# Altium PCB Core.PcbDoc (part 1 of 3) (continued)
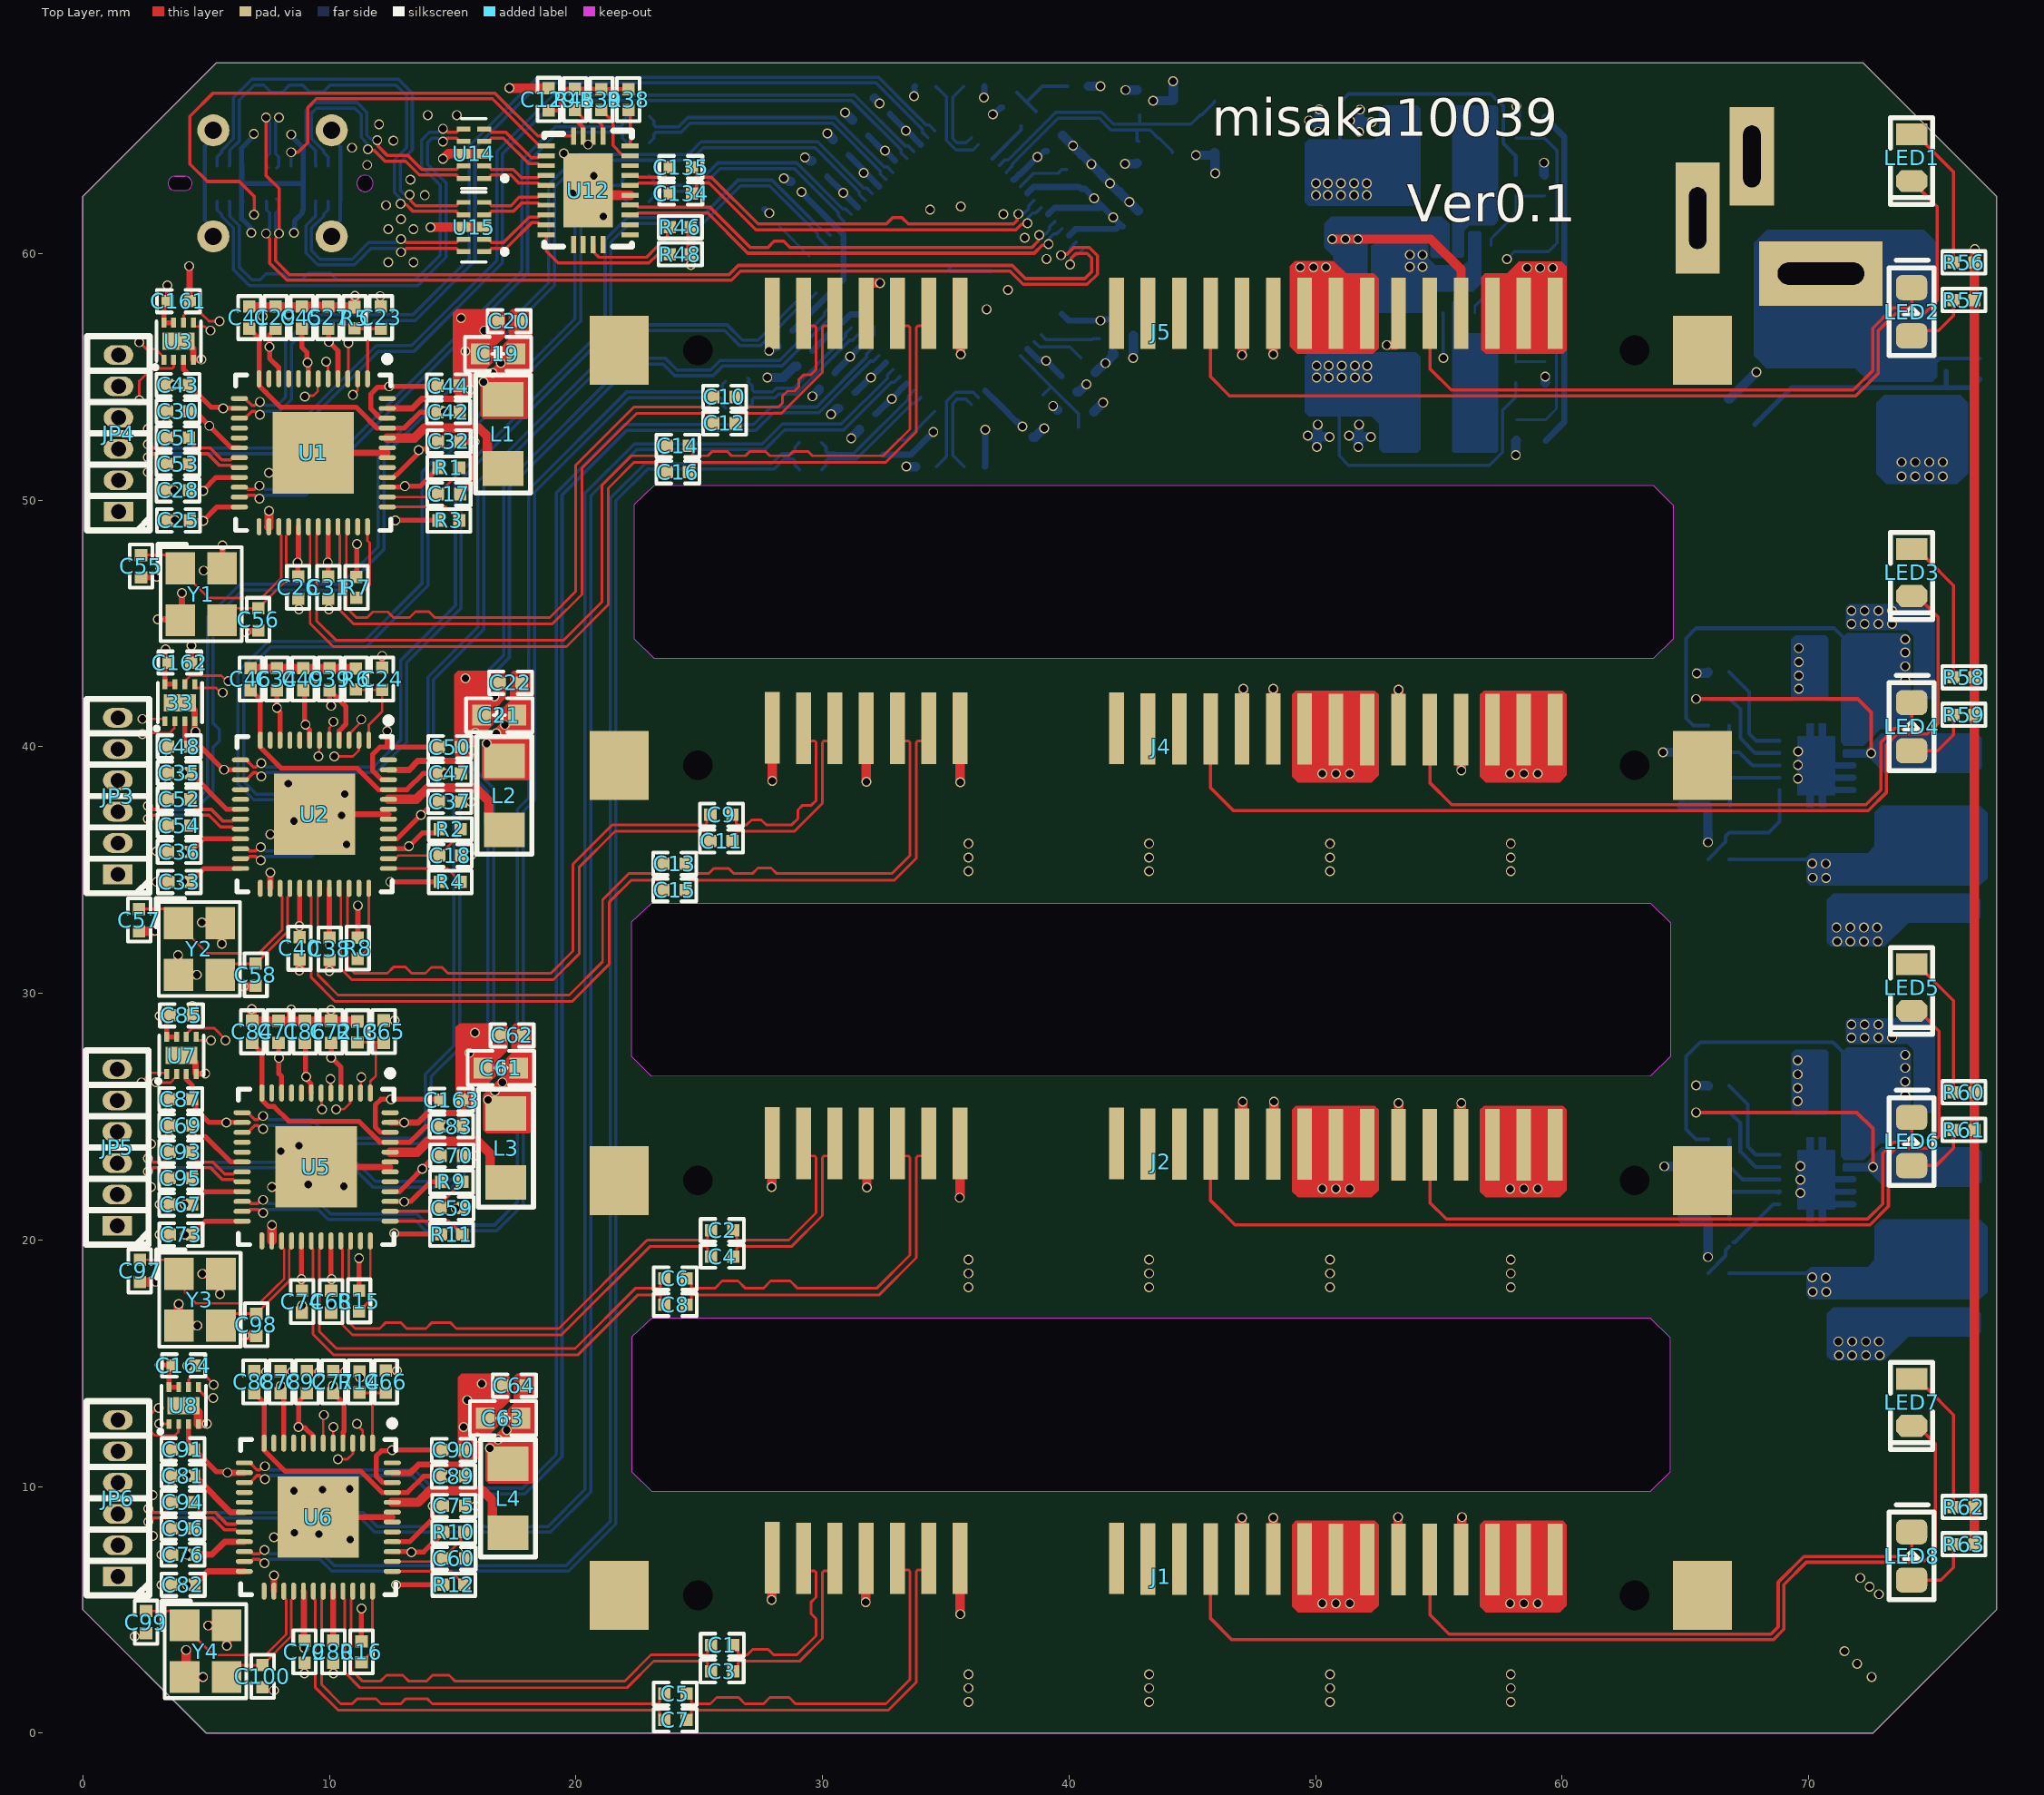
[diagram p0: Top Layer view]
## Components (designator, comment, footprint, x,y, rotation, side; value= is the part's Value field where it differs from the comment) (continued)
C155 "100nF 6.3V" C0402_L 41.732,62.179 r225 bottom
C156 "100nF 6.3V" C0402_L 40.005,54.712 r135 bottom
C157 "100nF 6.3V" C0402_L 31.813,53.174 r45 bottom
C158 "100nF 6.3V" C0402_L 32.422,65.977 r315 bottom
C159 "100nF 6.3V" C0402_L 42.494,61.417 r225 bottom
C160 "100nF 6.3V" C0402_L 40.97,62.941 r225 bottom
C161 "100nF 6.3V" C0402_L 3.886,58.064 r180 top
C162 "100nF 6.3V" C0402_L 3.937,43.409 r180 top
C163 "100nF 6.3V" C0402_L 14.949,25.679 r180 top
C164 "100nF 6.3V" C0402_L 4.089,14.91 r180 top
CON1 "3.5*1.3" DC-012 70.491,59.182 r90 bottom
E1 "100uF/25V" "CS 6*4 - B" 36.424,38.557 r90 bottom
E2 "100uF/25V" "CS 6*4 - B" 43.756,38.557 r90 bottom
E3 "100uF/25V" "CS 6*4 - B" 51.088,38.557 r90 bottom
E4 "100uF/25V" "CS 6*4 - B" 58.42,38.557 r90 bottom
E5 "100uF/25V" "CS 6*4 - B" 43.756,4.877 r90 bottom
E6 "100uF/25V" "CS 6*4 - B" 36.424,4.877 r90 bottom
E7 "100uF/25V" "CS 6*4 - B" 51.088,4.877 r90 bottom
E8 "100uF/25V" "CS 6*4 - B" 58.42,4.877 r90 bottom
E9 "100uF/25V" "CS 6*4 - B" 36.424,21.692 r90 bottom
E10 "100uF/25V" "CS 6*4 - B" 43.756,21.692 r90 bottom
E11 "100uF/25V" "CS 6*4 - B" 58.42,21.692 r90 bottom
E12 "100uF/25V" "CS 6*4 - B" 51.088,21.692 r90 bottom
J1 "SATA15P" "SATA 15P 贴片"#1 24.94,5.59 r0 top locked
J2 "SATA15P" "SATA 15P 贴片"#1 24.94,22.413 r0 top locked
J3 "Typec 24p" "TypeC 24p 直立" 7.696,62.84 r180 bottom locked
J4 "SATA15P" "SATA 15P 贴片"#1 24.94,39.243 r0 top locked
J5 "SATA15P" "SATA 15P 贴片"#2 24.94,56.073 r0 top locked
JP1 "HDR-1X2" ZH1.5-WS-2P 64.414,50.724 r135 bottom
JP2 "HDR-1X2" XH2.54-WS-2P 69.291,8.331 r45 bottom
JP3 "HDR-1X6" HDR1.27-LI-6P 1.422,37.998 r90 top
JP4 "HDR-1X6" HDR1.27-LI-6P 1.448,52.705 r90 top
JP5 "HDR-1X6" HDR1.27-LI-6P 1.397,23.749 r90 top
JP6 "HDR-1X6" HDR1.27-LI-6P 1.422,9.525 r90 top
L1 "4.7uH" L1206 17.043,52.68 r90 top
L2 "4.7uH" L1206 17.094,38.024 r90 top
L3 "4.7uH" L1206 17.159,23.724 r90 top
L4 "4.7uH" L1206 17.247,9.525 r90 top
L5 "6.8uH" NR4020 75.033,21.471 r270 bottom
L6 "6.8uH" NR4020 75.032,38.251 r270 bottom
L7 "1uH" NR4020 55.091,63.906 r0 bottom
L8 "2uH" NR4020 55.091,54 r0 bottom
LED1 "green" "LED 0805G" 74.168,63.881 r270 top locked
LED2 "green" LED0805_W 74.168,57.635 r90 top locked
LED3 "green" "LED 0805G" 74.168,47.058 r270 top locked
LED4 "green" LED0805_W 74.168,40.812 r90 top locked
LED5 "green" "LED 0805G" 74.168,30.235 r270 top locked
LED6 "green" LED0805_W 74.168,23.989 r90 top locked
LED7 "green" "LED 0805G" 74.168,13.412 r270 top locked
LED8 "green" LED0805_W 74.168,7.186 r90 top locked
Q1 "AO3401" DFN8-L3.0-W3.0-P0.65_EP 74.6,53.746 r270 bottom
R1 "330K 1%" R0402_L 14.849,51.308 r0 top
R2 "330K 1%" R0402_L 14.899,36.652 r0 top
R3 "4.7K 1%" R0402_L 14.849,49.174 r0 top
R4 "4.7K 1%" R0402_L 14.899,34.519 r0 top
R5 "100K 1%" R0402_L 11.024,57.394 r270 top
R6 "100K 1%" R0402_L 11.074,42.738 r270 top
R7 "12K 1%" R0402_L 11.1,46.457 r270 top
R8 "12K 1%" R0402_L 11.151,31.826 r270 top
R9 "330K 1%" R0402_L 14.964,22.352 r0 top
R10 "330K 1%" R0402_L 15.052,8.153 r0 top
R11 "4.7K 1%" R0402_L 14.964,20.218 r0 top
R12 "4.7K 1%" R0402_L 15.052,6.02 r0 top
R13 "100K 1%" R0402_L 11.139,28.438 r270 top
R14 "100K 1%" R0402_L 11.227,14.239 r270 top
R15 "12K 1%" R0402_L 11.204,17.526 r270 top
R16 "12K 1%" R0402_L 11.303,3.302 r270 top
R17 "10K 1%" R0402_L 66.353,24.077 r0 bottom
R18 "10K 1%" R0402_L 76.937,55.321 r270 bottom
R19 "18.7K 1%" R0402_L 66.346,21.907 r180 bottom
R20 "100K 1%" R0402_L 66.346,18.653 r180 bottom
R21 "10K 1%" R0402_L 66.346,22.992 r180 bottom
R22 "100K 1%" R0402_L 66.346,26.247 r180 bottom
R23 "19.1K 1%" R0402_L 66.346,19.738 r180 bottom
R24 "10K 1%" R0402_L 66.351,40.858 r0 bottom
R25 "18.7K 1%" R0402_L 66.345,38.688 r180 bottom
R26 "100K 1%" R0402_L 66.345,35.433 r180 bottom
R27 "10K 1%" R0402_L 66.345,39.773 r180 bottom
R28 "100K 1%" R0402_L 66.345,43.028 r180 bottom
R29 "19.1K 1%" R0402_L 66.345,36.518 r180 bottom
R30 "100K 1%" R0402_L 59.284,65.1 r270 bottom
R31 "100K 1%" R0402_L 59.334,52.839 r90 bottom
R32 "130K 1%" R0402_L 58.141,65.1 r90 bottom
R33 "130K 1%" R0402_L 58.141,52.839 r270 bottom
R34 "390K 1%" R0402_L 58.115,62.757 r270 bottom
R35 "390K 1%" R0402_L 58.115,55.176 r90 bottom
R36 "130K 1%" R0402_L 59.284,62.763 r90 bottom
R37 "88,7K 1%" R0402_L 59.309,55.182 r270 bottom
R38 "10K 1%" R0402_L 22.123,66.236 r270 top
R39 "10K 1%" R0402_L 21.031,66.236 r270 top
R40 "4.7K 1%" R0402_L 39.239,53.954 r315 bottom
R41 "4.7K 1%" R0402_L 40.767,55.474 r315 bottom
R42 "4.7K 1%" R0402_L 41.525,56.24 r315 bottom
R43 "4.7K 1%" R0402_L 36.163,51.359 r0 bottom
R44 "4.7K 1%" R0402_L 34.195,51.359 r180 bottom
R45 "10K 1%" R0402_L 19.964,66.243 r90 top
R46 "20K 1%" R0402_L 24.232,61.062 r180 top
R47 "4.7K 1%" R0402_L 32.766,52.146 r225 bottom
R48 "20K 1%" R0402_L 24.232,59.969 r180 top
R49 "12.4k 1%" R0402_L 40.208,63.703 r45 bottom
R50 "4.7K 1%" R0402_L 37.592,66.218 r225 bottom
R51 "1M 1%" R0402_L 38.354,65.456 r45 bottom
R52 "4.7K 1%" R0402_L 34.17,66.777 r180 bottom
R53 "10K 1%" R0402_L 40.361,66.777 r0 bottom
R54 "4.7K 1%" R0402_L 36.144,66.777 r0 bottom
R55 "4.7K 1%" R0402_L 27.944,61.489 r135 bottom
R56 "4.7K 1%" R0402_L 76.289,59.634 r180 top locked
R57 "4.7K 1%" R0402_L 76.289,58.111 r180 top locked
R58 "4.7K 1%" R0402_L 76.289,42.812 r180 top locked
R59 "4.7K 1%" R0402_L 76.289,41.291 r180 top locked
R60 "4.7K 1%" R0402_L 76.289,25.984 r180 top locked
R61 "4.7K 1%" R0402_L 76.289,24.463 r180 top locked
R62 "4.7K 1%" R0402_L 76.289,9.169 r180 top locked
R63 "4.7K 1%" R0402_L 76.289,7.661 r180 top locked
U1 "JMS578" QFN48-L6.0-W6.0-P0.4 9.347,51.918 r270 top
U2 "JMS578" QFN48-L6.0-W6.0-P0.4 9.398,37.262 r270 top
U3 "P25Q21H" USON-8_L1.5-W1.5-P0.40-BL-EP 3.886,56.439 r0 top
U5 "JMS578" QFN48-L6.0-W6.0-P0.4 9.463,22.962 r270 top
U6 "JMS578" QFN48-L6.0-W6.0-P0.4 9.55,8.763 r270 top
U7 "P25Q21H" USON-8_L1.5-W1.5-P0.40-BL-EP 4.002,27.483 r0 top
U8 "P25Q21H" USON-8_L1.5-W1.5-P0.40-BL-EP 4.089,13.284 r0 top
U9 "TPS54335A-QFN" VSON-10_L3.0-W3.0-P0.50-TL-EP 70.307,22.454 r180 bottom
U10 "TPS54335A-QFN" VSON-10_L3.0-W3.0-P0.50-TL-EP 70.307,39.243 r180 bottom
U11 "MP9148" SOT23-8 56.134,58.953 r90 bottom
U12 "VL160" MQFN-28_L4.5-W3.5-P0.40-BL-EP 20.498,62.56 r270 top
U13 "VL822 Q7" QFN-76_L9.0-W9.0-P0.40-EP6.3-TL 35.154,59.284 r45 bottom locked
U14 "TPD4E02B04" DIO_TPD4E02B04DQAR 15.861,64.043 r180 top
U15 "TPD4E02B04" DIO_TPD4E02B04DQAR 15.861,61.07 r180 top
Y1 "30Mhz" "OSC 3225-4P" 4.801,46.177 r270 top
Y2 "30Mhz" "OSC 3225-4P" 4.724,31.801 r270 top
Y3 "30Mhz" "OSC 3225-4P" 4.75,17.577 r270 top
Y4 "30Mhz" "OSC 3225-4P" 4.978,3.327 r270 top
Y5 "25Mhz" "OSC 3225-4P" 45.045,65.138 r270 bottom

## Footprints (in the part's own frame and the unit in brackets; to place one, negate y for a bottom-side part, rotate by r counter-clockwise, add the part's x,y. Pads: shape width x height; smd on the part's side, far side on the other; paste and mask are expansions set on the pad)
C0402_L [mm] "贴片MLCC电容"
  rect 0.5x0.5 smd: 1(-0.45,0) 2(0.45,0)
  silkscreen extent -0.87,-0.46 0.88,0.46, body extent -0.5,-0.25 0.5,0.25, height 0.5
C0603_L [mm] "贴片MLCC电容"
  rect 0.75x0.85 smd: 1(-0.725,0) 2(0.725,0)
  silkscreen extent -1.35,-0.69 1.35,0.69, body extent -0.8,-0.4 0.8,0.4, height 0.8
"CS 6*4 - B" [mm] "直径6mm，高4mm"
  rect 2.7x1 smd: 1(3,0)
  oval 2.7x1 smd: 2(-3,0)
  silkscreen extent -3.3,-3.3 3.43,3.3, body extent -3.5,-3.15 3.5,3.15, height 4.05
DC-012 [mm] "5.5*2.1"
  rect 2.6x5 hole 0.9 slot 3.5 at 90 deg: 1(0,0)
  rect 4.5x1.8 hole 0.7 slot 2.5 at 0 deg: 2(2.25,-5)
  rect 4x1.8 hole 0.7 slot 2.5 at 0 deg: 3(4.75,-2.8)
  silkscreen extent -1.35,-6.48 8,5.33, body extent -1.11,-6.47 7.89,4.53, height 13.6
DFN8-L3.0-W3.0-P0.65_EP [mm] "DFN, 8-Leads, Body 3.05x3.05mm, Pitch 0.65mm               联系卖家 免费查找封装"
  rect 0.66x0.42 smd: 1(-1.47,-0.975) 2(-1.47,-0.325) 2(-1.47,0.325) 2(-1.47,0.975) 3(1.47,-0.975) 3(1.47,-0.325) 3(1.47,0.325) 3(1.47,0.975)
  Top Layer region: -0.5,-1.185 -0.5,1.185 1.33,1.185 1.33,-1.185
  Top Layer region: -0.319,-1.73 -0.319,1.73 0.251,1.73 0.251,-1.73
  silkscreen extent -2.47,-1.59 1.53,1.59, body extent -1.53,-1.53 1.53,1.53, height 0.8
DIO_TPD4E02B04DQAR [mm]
  rect 0.565x0.2 smd mask+0: 1(-0.417,1) 2(-0.417,0.5) 4(-0.417,-0.5) 5(-0.417,-1) 6(0.417,-1) 7(0.417,-0.5) 9(0.417,0.5) 10(0.417,1)
  rect 0.565x0.4 smd paste-1 mask+0: 3(-0.417,0) 8(0.417,0)
  silkscreen extent -1.35,-1.42 0.5,1.42, body extent -0.5,-1.25 0.5,1.25, height 0.55
HDR1.27-LI-6P [mm] "直插，脚距：1.27mm"
  rect 0.8x1.2 hole 0.6: 1(-3.175,0)
  oval 0.8x1.2 hole 0.6: 2(-1.905,0) 3(-0.635,0) 4(0.635,0) 5(1.905,0) 6(3.175,0)
  silkscreen extent -3.94,-1.27 3.94,1.27, body extent -3.81,-1.2 3.81,1.2, height 4.48
L1206 [mm] "1206贴片叠层电感"
  rect 1.4x1.65 smd: 1(-1.4,0) 2(1.4,0)
  silkscreen extent -2.39,-1.12 2.39,1.12, body extent -1.6,-0.8 1.6,0.8, height 1.1
LED0805_W [mil] "白色0805LED"
  rrect50% 40x50 smd: 1(-38.4,0) 2(38.4,0)
  silkscreen extent -70,-36 82,36, body extent -39,-25 39,25, height 32
"LED 0805G" [mil] "绿色0805LED"
  rect 35x50 smd: 1(-37.4,0)
  oct 35x50 smd: 2(37.4,0)
  silkscreen extent -64,-33 75,33, body extent -39,-25 39,25, height 32
MQFN-28_L4.5-W3.5-P0.40-BL-EP [mm]
  rect 0.2x0.7 smd paste-100: 1(-1.8,-1.7) 2(-1.4,-1.7) 3(-1,-1.7) 4(-0.6,-1.7) 5(-0.2,-1.7) 6(0.2,-1.7) 7(0.6,-1.7) 8(1,-1.7) 9(1.4,-1.7) 10(1.8,-1.7) 15(1.8,1.7) 16(1.4,1.7) 17(1,1.7) 18(0.6,1.7) 19(0.2,1.7) 20(-0.2,1.7) 21(-0.6,1.7) 22(-1,1.7) 23(-1.4,1.7) 24(-1.8,1.7)
  rect 0.7x0.2 smd paste-100: 11(2.2,-0.6) 12(2.2,-0.2) 13(2.2,0.2) 14(2.2,0.6) 25(-2.2,0.6) 26(-2.2,0.2) 27(-2.2,-0.2) 28(-2.2,-0.6)
  rect 3x2 smd paste-100: 29(0,0)
  silkscreen extent -2.41,-1.78 2.29,1.78, body extent -2.26,-1.76 2.26,1.76, height 0.86
NR4020 [mm] "4.0mm*4.0mm*2.0mm(长*宽*高）"
  rect 1.1x3.7 smd: 1(-1.5,0) 2(1.5,0)
  silkscreen extent -2.29,-2.03 2.29,2.03, body extent -2,-2 2,2, height 2.1
"OSC 3225-4P" [mm] "3.2*2.5*0.7mm(长宽高)"
  rect 1.3x1.2 smd: 1(-1.05,-0.85) 2(1.05,-0.85) 3(1.05,0.85) 4(-1.05,0.85)
  silkscreen extent -2.03,-1.75 1.91,1.65, body extent -1.6,-1.25 1.6,1.25, height 0.7
QFN48-L6.0-W6.0-P0.4 [mm] "QFN, 48-Leads, Body 6.00x6.00mm, Pitch 0.40mm, Thermal Pad 4.30x4.30mm封装库来自淘宝卖家 ID：黄晶宝石"
  oval 0.7x0.2 smd: 1(-3,2.2) 2(-3,1.8) 3(-3,1.4) 4(-3,1) 5(-3,0.6) 6(-3,0.2) 7(-3,-0.2) 8(-3,-0.6) 9(-3,-1) 10(-3,-1.4) 11(-3,-1.8) 12(-3,-2.2) 25(3,-2.2) 26(3,-1.8) 27(3,-1.4) 28(3,-1) 29(3,-0.6) 30(3,-0.2) 31(3,0.2) 32(3,0.6) 33(3,1) 34(3,1.4) 35(3,1.8) 36(3,2.2)
  oval 0.2x0.7 smd: 13(-2.2,-3) 14(-1.8,-3) 15(-1.4,-3) 16(-1,-3) 17(-0.6,-3) 18(-0.2,-3) 19(0.2,-3) 20(0.6,-3) 21(1,-3) 22(1.4,-3) 23(1.8,-3) 24(2.2,-3) 37(2.2,3) 38(1.8,3) 39(1.4,3) 40(1,3) 41(0.6,3) 42(0.2,3) 43(-0.2,3) 44(-0.6,3) 45(-1,3) 46(-1.4,3) 47(-1.8,3) 48(-2.2,3)
  rect 3.3x3.3 smd: 49(0,0)
  silkscreen extent -3.92,-3.15 3.15,3.15, body extent -3,-3 3,3, height 0.9
QFN-76_L9.0-W9.0-P0.40-EP6.3-TL [mm]
  oval 0.8x0.2 smd paste-100: 1(-4.45,3.599) 2(-4.45,3.2) 3(-4.45,2.799) 4(-4.45,2.4) 5(-4.45,1.999) 6(-4.45,1.6) 7(-4.45,1.199) 8(-4.45,0.8) 9(-4.45,0.399) 10(-4.45,0) 11(-4.45,-0.399) 12(-4.45,-0.8) 13(-4.45,-1.199) 14(-4.45,-1.6) 15(-4.45,-1.999) 16(-4.45,-2.4) 17(-4.45,-2.799) 18(-4.45,-3.2) 19(-4.45,-3.599) 39(4.45,-3.599) 40(4.45,-3.2) 41(4.45,-2.799) 42(4.45,-2.4) 43(4.45,-1.999) 44(4.45,-1.6) 45(4.45,-1.199) 46(4.45,-0.8) 47(4.45,-0.399) 48(4.45,0) 49(4.45,0.399) 50(4.45,0.8) 51(4.45,1.199) 52(4.45,1.6) 53(4.45,1.999) 54(4.45,2.4) 55(4.45,2.799) 56(4.45,3.2) 57(4.45,3.599)
  oval 0.2x0.8 smd paste-100: 20(-3.599,-4.45) 21(-3.2,-4.45) 22(-2.799,-4.45) 23(-2.4,-4.45) 24(-1.999,-4.45) 25(-1.6,-4.45) 26(-1.199,-4.45) 27(-0.8,-4.45) 28(-0.399,-4.45) 29(0,-4.45) 30(0.399,-4.45) 31(0.8,-4.45) 32(1.199,-4.45) 33(1.6,-4.45) 34(1.999,-4.45) 35(2.4,-4.45) 36(2.799,-4.45) 37(3.2,-4.45) 38(3.599,-4.45) 58(3.599,4.45) 59(3.2,4.45) 60(2.799,4.45) 61(2.4,4.45) 62(1.999,4.45) 63(1.6,4.45) 64(1.199,4.45) 65(0.8,4.45) 66(0.399,4.45) 67(0,4.45) 68(-0.399,4.45) 69(-0.8,4.45) 70(-1.199,4.45) 71(-1.6,4.45) 72(-1.999,4.45) 73(-2.4,4.45) 74(-2.799,4.45) 75(-3.2,4.45) 76(-3.599,4.45)
  rect 5.5x5.5 smd paste-100: 77(0,0)
  silkscreen extent -5.36,-4.7 4.7,4.7, body extent -4.5,-4.5 4.5,4.5, height 0.85
R0402_L [mm] "1/16W贴片电阻"
  rect 0.5x0.5 smd: 1(-0.425,0) 2(0.425,0)
  silkscreen extent -0.88,-0.46 0.87,0.46, body extent -0.5,-0.25 0.5,0.25, height 0.3
"SATA 15P 贴片"#1 [mm] "SATA"
  rect 0.6x2.9 smd: P1(16.99,1.5) P2(18.26,1.476) P3(19.53,1.476) P4(20.8,1.476) P5(22.07,1.476) P6(23.34,1.476) P7(24.61,1.476) P8(25.88,1.452) P9(27.15,1.452) P10(28.42,1.452) P11(29.69,1.452) P12(30.96,1.452) P13(32.23,1.452) P14(33.5,1.452) P15(34.77,1.452) S1(3.02,1.524) S2(4.29,1.5) S3(5.56,1.5) S4(6.83,1.5) S5(8.1,1.5) S6(9.37,1.5) S7(10.64,1.5)
  rect 2.4x2.8 smd: SH1(-3.19,0) SH2(40.75,0)
  round 1 hole 1.2 unplated: ""(0,0) ""(38,0)
  body extent -3.97,-2.88 41.47,2.67, height 10.2
"SATA 15P 贴片"#2 [mm] "SATA"
  rect 0.6x2.9 smd: P1(16.99,1.5) P2(18.26,1.5) P3(19.53,1.5) P4(20.8,1.5) P5(22.07,1.5) P6(23.34,1.5) P7(24.61,1.5) P8(25.88,1.5) P9(27.15,1.5) P10(28.42,1.5) P11(29.69,1.5) P12(30.96,1.5) P13(32.23,1.5) P14(33.5,1.5) P15(34.77,1.5) S1(3.02,1.5) S2(4.29,1.5) S3(5.56,1.5) S4(6.83,1.5) S5(8.1,1.5) S6(9.37,1.5) S7(10.64,1.5)
  rect 2.4x2.8 smd: SH1(-3.19,0) SH2(40.75,0)
  round 1 hole 1.2 unplated: ""(0,0) ""(38,0)
  body extent -3.97,-2.88 41.47,2.67, height 10.2
SOT23-8 [mil] "SOT23, 8-Leads, Body 2.9x1.75mm, Pitch 0.65mm  联系卖家 免费查找封装"
  rect 38.5x17 smd paste+0: 1(-53.75,38.39) 2(-53.75,12.8) 3(-53.75,-12.8) 4(-53.75,-38.39) 5(53.75,-38.39) 6(53.75,-12.8) 7(53.75,12.8) 8(53.75,38.39)
  silkscreen extent -70,-61 20,70, body extent -55,-59 55,59, height 47
"TypeC 24p 直立" [mm]
  rect 0.3x1 smd paste-100: A1(-2.75,0.72) A2(-2.25,0.72) A3(-1.75,0.72) A4(-1.25,0.72) A5(-0.75,0.72) A6(-0.25,0.72) A7(0.25,0.72) A8(0.75,0.72) A9(1.25,0.72) A10(1.75,0.72) A11(2.25,0.72) A12(2.75,0.72) B1(2.75,-0.72) B2(2.25,-0.72) B3(1.75,-0.72) B4(1.25,-0.72) B5(0.75,-0.72) B6(0.25,-0.72) B7(-0.25,-0.72) B8(-0.75,-0.72) B9(-1.25,-0.72) B10(-1.75,-0.72) B11(-2.25,-0.72) B12(-2.75,-0.72)
  round 1.3 hole 0.7: SH1(-2.4,-2.15) SH2(2.4,-2.15) SH3(2.4,2.15) SH4(-2.4,2.15)
  Keep-Out Layer board cut-out: -3.42,0 -3.42,-0.066 -3.47,-0.187 -3.563,-0.28 -3.684,-0.33 -3.816,-0.33 -3.937,-0.28 -4.03,-0.187 -4.08,-0.066 -4.08,0 -4.08,0.066 -4.03,0.187 -3.937,0.28 -3.816,0.33 -3.684,0.33 -3.563,0.28 -3.47,0.187 -3.42,0.066 -3.42,0 -3.42,0
  Keep-Out Layer board cut-out: 4.244,0 4.244,-0.056 4.203,-0.16 4.126,-0.241 4.024,-0.287 3.968,-0.29 3.968,-0.29 3.556,-0.29 3.499,-0.289 3.393,-0.245 3.312,-0.163 3.268,-0.057 3.268,0 3.268,0.058 3.312,0.164 3.393,0.245 3.499,0.29 3.556,0.29 3.556,0.29 3.97,0.29 4.026,0.287 4.127,0.24 4.203,0.159 4.244,0.056 4.244,0 4.244,0
  Keep-Out Layer circle w0.005: c-3.75,0 r0.33
  Keep-Out Layer region: -3.42,0 -3.42,-0.066 -3.47,-0.187 -3.563,-0.28 -3.684,-0.33 -3.816,-0.33 -3.937,-0.28 -4.03,-0.187 -4.08,-0.066 -4.08,0 -4.08,0.066 -4.03,0.187 -3.937,0.28 -3.816,0.33 -3.684,0.33 -3.563,0.28 -3.47,0.187 -3.42,0.066 -3.42,0 -3.42,0
  Keep-Out Layer region: 4.244,0 4.244,-0.056 4.203,-0.16 4.126,-0.241 4.024,-0.287 3.968,-0.29 3.968,-0.29 3.556,-0.29 3.499,-0.289 3.393,-0.245 3.312,-0.163 3.268,-0.057 3.268,0 3.268,0.058 3.312,0.164 3.393,0.245 3.499,0.29 3.556,0.29 3.556,0.29 3.97,0.29 4.026,0.287 4.127,0.24 4.203,0.159 4.244,0.056 4.244,0 4.244,0
  Keep-Out Layer lines w0.005: 4.244,0 ccw(c3.954,0) 3.97,0.29 3.556,0.29 ccw(c3.558,0) 3.268,0 ccw(c3.558,0) 3.556,-0.29 3.968,-0.29 ccw(c3.954,0) 4.244,0
  silkscreen extent -5,-2 5,2, body extent -4.47,-2.3 4.47,2.3, height 9.2
USON-8_L1.5-W1.5-P0.40-BL-EP [mm]
  rect 0.2x0.4 smd: 1(-0.6,-0.75) 2(-0.2,-0.75) 3(0.2,-0.75) 4(0.6,-0.75) 5(0.6,0.75) 6(0.2,0.75) 7(-0.2,0.75) 8(-0.6,0.75)
  rect 1.3x0.7 smd: 9(0,0)
  silkscreen extent -1.03,-1.14 0.9,0.8, body extent -0.75,-0.76 0.75,0.76, height 0.5
VSON-10_L3.0-W3.0-P0.50-TL-EP [mm]
  rect 0.8x0.3 smd: 1(-1.5,1) 2(-1.5,0.5) 3(-1.5,0) 4(-1.5,-0.5) 5(-1.5,-1) 6(1.5,-1) 7(1.5,-0.5) 8(1.5,0) 9(1.5,0.5) 10(1.5,1)
  round 0.304 smd: 11(0.002,-0.009)
  Top Layer region: -0.758,1.191 -0.398,1.191 -0.398,1.706 -0.098,1.706 -0.098,1.191 0.102,1.191 0.102,1.706 0.402,1.706 0.402,1.191 0.761,1.191 0.761,-1.209 0.402,-1.209 0.402,-1.714 0.102,-1.714 0.102,-1.209 -0.098,-1.209 -0.098,-1.714 -0.398,-1.714 -0.398,-1.209 -0.759,-1.209 -0.759,0.886 -0.758,0.886 -0.758,1.191
  silkscreen extent -1.98,-1.5 1.5,1.6, body extent -1.51,-1.52 1.51,1.5, height 0.61
XH2.54-WS-2P [mm] "长：10mm，宽：8mm，高：6.1mm"
  rect 2x3.5 smd: 0(-4.327,-2.15) 0(4.327,-2.15)
  rect 1.2x3.5 smd: 1(-1.25,4.981) 2(1.25,4.981)
  silkscreen extent -5,-4.06 5,4.06, body extent -5,-4 5,6.42, height 6.05
ZH1.5-WS-2P [mm] "长：6.1mm，宽：2.5mm，高：3.7mm"
  rect 1.5x1.95 smd: 0(-2.818,0) 0(2.818,0)
  rect 0.8x2.5 smd: 1(-0.75,4.05) 2(0.75,4.05)
  silkscreen extent -3.05,-2 3.03,4.06, body extent -3.05,-2 3.05,4.6, height 3.75

## Part data
33 U3 U7 U8: library part P25D40H
C1 C2 C3 C4 C5 C6 C7 C8 C9 C10 C11 C12 C13 C14 C15 C16 C17 C18 C19 C20 C21 C22 C23 C24 C25 C26 C27 C28 C29 C30 C31 C32 C33 C34 C35 C36 C37 C38 C39 C40 C41 C42 C43 C44 C45 C46 C47 C48 C49 C50 C51 C52 C53 C54 C55 C56 C57 C58 C59 C60 C61 C62 C63 C64 C65 C66 C67 C68 C69 C70 C71 C72 C73 C74 C75 C76 C77 C78 C79 C80 C81 C82 C83 C84 C85 C86 C87 C88 C89 C90 C91 C92 C93 C94 C95 C96 C97 C98 C99 C100 C101 C102 C103 C104 C105 C106 C107 C108 C109 C110 C111 C112 C113 C114 C115 C116 C117 C118 C119 C120 C121 C122 C123 C124 C125 C126 C127 C128 C129 C131 C132 C133 C134 C135 C136 C137 C138 C139 C140 C141 C142 C143 C144 C145 C146 C147 C148 C149 C150 C151 C152 C153 C154 C155 C156 C157 C158 C159 C160 C161 C162 C163 C164: library part C, "无极性贴片电容", BOM名称=无极性贴片电容, 学习资源=www.ooocke.com, 材质=X7R, 版权归属=源创客
CON1: library part P-DC, "低压电源接口", BOM名称=DC电源接口, 学习资源=www.ooocke.com, 版权归属=源创客
E1 E2 E3 E4 E5 E6 E7 E8 E9 E10 E11 E12: library part C-CD, "贴片钽电容", BOM名称=贴片钽电容, 学习资源=www.ooocke.com, 版权归属=源创客
J3: "USB-C (USB TYPE-C) USB 3.2 Gen 2 (USB 3.1 Gen 2, Superspeed + (USB 3.1)) Receptacle Connector 24 Position Surface Mount, Right Angle; Through Hole", Package=None, Check_prices=https://www.snapeda.com/parts/1054500101/Molex/view-part/?ref=eda, MF=Molex, MP=1054500101, SnapEDA_Link=https://www.snapeda.com/parts/1054500101/Molex/view-part/?ref=snap
JP1 JP2: library part "Header 2", "2P接插件", BOM名称=2P接插件, 学习资源=www.ooocke.com, 版权归属=源创客
JP3 JP4 JP5 JP6: library part "Header 6", "6P接插件", BOM名称=6P接插件, 学习资源=www.ooocke.com, 版权归属=源创客
L1 L2 L3 L4 L5 L6 L7 L8: library part L, "小功率贴片电感", BOM名称=小功率贴片电感, 学习资源=www.ooocke.com, 版权归属=源创客
LED1 LED2 LED3 LED4 LED5 LED6 LED7 LED8: library part LED-3MM, "插件LED", BOM名称=插件LED, 学习资源=www.ooocke.com, 版权归属=源创客
Q1: "P沟道 30V/4.2A", BOM名称=场效应管, 学习资源=www.ooocke.com, 描述="P沟道 30V/4.2A", 版权归属=源创客
R1 R2 R3 R4 R5 R6 R7 R8 R9 R10 R11 R12 R13 R14 R15 R16 R17 R18 R19 R20 R21 R22 R23 R24 R25 R26 R27 R28 R29 R30 R31 R32 R33 R34 R35 R36 R37 R38 R39 R40 R41 R42 R43 R44 R45 R46 R47 R48 R49 R50 R51 R52 R53 R54 R55 R56 R57 R58 R59 R60 R61 R62 R63: library part R, "贴片电阻", BOM名称=贴片电阻, 学习资源=www.ooocke.com, 版权归属=源创客
U9 U10 U11: "BUCK"
U14 U15: "ESD"
Y1 Y2 Y3 Y4 Y5: library part Crystal

## Via types
v1: diameter 0.4, hole 0.3, Top Layer to Bottom Layer, tented both sides, 581 vias

## Nets (pads, with @x,y where several pads share a name; then routed paths per layer and width w, separated by ;. In a path a pad name is that pad's centre, name@x,y a point inside that pad or via, vN(x,y) a via of type N, cw(c..) or ccw(c..) an arc to the next point about the centre after c; other vN are vias at no path point)
cap_IN_SSRX1_N: U12.7 U15.4 | length 2.8
  Top Layer w0.131: U15.4@16.278,61.57 16.461,61.57 16.495,61.604 16.495,61.627 16.572,61.703 17.456,61.703 17.797,62.044 18.464,62.044 18.548,61.96 U12.7@18.798,61.96
cap_IN_SSRX1_P: U12.6 U15.5 | length 2.8
  Top Layer w0.131: U15.5@16.278,62.07 16.461,62.07 16.495,62.035 16.495,62.012 16.572,61.936 17.36,61.936 17.701,62.276 18.464,62.276 18.548,62.36 U12.6@18.798,62.36
cap_IN_SSRX2_N: U12.8 U15.2 | length 3.1
  Top Layer w0.131: U15.2@16.278,60.57 16.461,60.57 16.495,60.535 16.495,60.512 16.572,60.436 17.065,60.436 18.106,61.476 18.464,61.476 18.548,61.56 U12.8@18.798,61.56
cap_IN_SSRX2_P: U12.9 U15.1 | length 3.1
  Top Layer w0.131: U15.1@16.278,60.07 16.461,60.07 16.495,60.104 16.495,60.127 16.572,60.203 17.161,60.203 18.202,61.244 18.464,61.244 18.548,61.16 U12.9@18.798,61.16
cap_IN_SSTX1_N: U12.3 U14.4 | length 3.1
  Top Layer w0.131: U14.4@16.278,64.543 16.461,64.543 16.495,64.577 16.495,64.6 16.572,64.677 17.059,64.677 18.092,63.644 18.464,63.644 18.548,63.56 U12.3@18.798,63.56
cap_IN_SSTX1_P: U12.2 U14.5 | length 3.1
  Top Layer w0.131: U14.5@16.278,65.043 16.461,65.043 16.495,65.008 16.495,64.986 16.572,64.909 17.155,64.909 18.188,63.876 18.464,63.876 18.548,63.96 U12.2@18.798,63.96
cap_IN_SSTX2_N: U12.4 U14.2 | length 2.8
  Top Layer w0.131: U14.2@16.278,63.543 16.461,63.543 16.495,63.508 16.495,63.486 16.572,63.409 17.46,63.409 17.793,63.076 18.464,63.076 18.548,63.16 U12.4@18.798,63.16
cap_IN_SSTX2_P: U12.5 U14.1 | length 2.8
  Top Layer w0.131: U14.1@16.278,63.043 16.461,63.043 16.495,63.077 16.495,63.1 16.572,63.177 17.364,63.177 17.697,62.844 18.464,62.844 18.548,62.76 U12.5@18.798,62.76
cap_RX1_N: C5.1 J1.S5 | length 15.4
  Top Layer w0.109: C5.1@24.478,1.6 24.674,1.405 24.674,1.261 24.738,1.197 25.454,1.197 25.705,1.448 26.597,1.448 26.848,1.197 27.613,1.197 27.864,1.448 28.655,1.448 28.905,1.197 32.566,1.197 33.545,2.176 33.545,6.563 33.481,6.627 33.286,6.627 33.04,6.873 J1.S5@33.04,7.09
cap_RX1_P: C7.1 J1.S6 | length 15.4
  Top Layer w0.109: C7.1@24.478,0.533 24.674,0.729 24.674,0.872 24.738,0.936 32.675,0.936 33.806,2.067 33.806,6.563 33.87,6.627 34.065,6.627 34.31,6.873 J1.S6@34.31,7.09
cap_RX2_N: C6.1 J2.S5 | length 15.2
  Top Layer w0.109: C6.1@24.478,18.44 24.674,18.245 24.674,18.102 24.738,18.038 25.632,18.038 25.933,18.339 26.576,18.339 26.877,18.038 27.6,18.038 27.903,18.34 28.688,18.34 28.99,18.038 32.197,18.038 33.545,19.385 33.545,23.344 33.481,23.408 33.286,23.408 33.04,23.654 J2.S5@33.04,23.913
cap_RX2_P: C8.1 J2.S6 | length 15.2
  Top Layer w0.109: C8.1@24.478,17.374 24.674,17.569 24.674,17.712 24.738,17.776 32.305,17.776 33.806,19.277 33.806,23.344 33.87,23.408 34.065,23.408 34.31,23.654 J2.S6@34.31,23.913
cap_RX3_N: C13.1 J4.S5 | length 15.5
  Top Layer w0.109: C13.1@24.453,35.255 24.595,35.113 24.595,34.916 24.659,34.852 25.378,34.852 25.59,35.064 26.194,35.064 26.406,34.852 27.157,34.852 27.383,35.079 27.917,35.079 28.143,34.852 32.812,34.852 33.545,35.585 33.545,40.174 33.481,40.238 33.286,40.238 33.04,40.484 J4.S5@33.04,40.743
cap_RX3_P: C15.1 J4.S6 | length 15.6
  Top Layer w0.109: C15.1@24.453,34.188 24.595,34.331 24.595,34.527 24.659,34.591 32.92,34.591 33.806,35.477 33.806,40.174 33.87,40.238 34.065,40.238 34.31,40.484 J4.S6@34.31,40.743
cap_RX4_N: C14.1 J5.S5 | length 15.2
  Top Layer w0.109: C14.1@24.587,52.197 24.73,52.055 24.73,51.858 24.793,51.794 25.353,51.794 25.536,51.977 26.128,51.977 26.311,51.794 26.877,51.794 27.06,51.977 27.677,51.977 27.86,51.794 28.629,51.794 28.813,51.977 29.404,51.977 29.587,51.794 32.465,51.794 33.545,52.874 33.545,57.004 33.481,57.068 33.286,57.068 33.04,57.314 J5.S5@33.04,57.573
cap_RX4_P: C16.1 J5.S6 | length 15.1
  Top Layer w0.109: C16.1@24.587,51.13 24.73,51.273 24.73,51.469 24.793,51.533 32.573,51.533 33.806,52.766 33.806,57.004 33.87,57.068 34.065,57.068 34.31,57.314 J5.S6@34.31,57.573
cap_SSRX1_N: C94.2 U6.19 | length 2.5
  Top Layer w0.131: C94.2@4.514,9.373 4.699,9.188 4.699,9.032 4.775,8.955 5.366,8.955 5.843,8.479 6.198,8.479 6.282,8.563 U6.19@6.55,8.563
cap_SSRX1_P: C96.2 U6.20 | length 2.5
  Top Layer w0.131: C96.2@4.514,8.306 4.699,8.49 4.699,8.646 4.775,8.723 5.27,8.723 5.746,8.247 6.198,8.247 6.282,8.163 U6.20@6.55,8.163
cap_SSRX2_N: C93.2 U5.19 | length 2.5
  Top Layer w0.131: C93.2@4.426,23.571 4.611,23.387 4.611,23.231 4.687,23.154 5.279,23.154 5.755,22.678 6.11,22.678 6.194,22.762 U5.19@6.463,22.762
cap_SSRX2_P: C95.2 U5.20 | length 2.5
  Top Layer w0.131: C95.2@4.426,22.504 4.611,22.689 4.611,22.845 4.687,22.922 5.182,22.922 5.659,22.445 6.11,22.445 6.194,22.362 U5.20@6.463,22.362
cap_SSRX3_N: C52.2 U2.19 | length 2.5
  Top Layer w0.131: C52.2@4.362,37.871 4.546,37.687 4.546,37.531 4.623,37.454 5.214,37.454 5.69,36.978 6.045,36.978 6.129,37.062 U2.19@6.398,37.062
cap_SSRX3_P: C54.2 U2.20 | length 2.5
  Top Layer w0.131: C54.2@4.362,36.805 4.546,36.989 4.546,37.145 4.623,37.222 5.118,37.222 5.594,36.746 6.045,36.746 6.129,36.662 U2.20@6.398,36.662
cap_SSRX4_N: C51.2 U1.19 | length 2.3
  Top Layer w0.131: C51.2@4.311,52.527 4.495,52.343 4.495,52.187 4.572,52.11 5.163,52.11 5.639,51.634 5.995,51.634 U1.19@6.078,51.718
cap_SSRX4_P: C53.2 U1.20 | length 2.3
  Top Layer w0.131: C53.2@4.311,51.46 4.495,51.645 4.495,51.801 4.572,51.878 5.067,51.878 5.543,51.401 5.995,51.401 U1.20@6.078,51.318
cap_SSTX1_N: C133.2 U13.4 | length 5.1
  Bottom Layer w0.131: C133.2@29.958,52.324 30.142,52.139 30.142,51.972 30.219,51.896 30.5,51.896 30.502,51.894 31.276,51.894 33.479,54.097 33.479,54.214 U13.4@33.704,54.44
cap_SSTX1_P: C132.2 U13.3 | length 5.2
  Bottom Layer w0.131: C132.2@29.965,51.232 30.142,51.409 30.142,51.587 30.219,51.663 30.404,51.663 30.405,51.662 31.373,51.662 31.735,52.025 ; 31.804,52.093 33.643,53.932 33.761,53.932 U13.3@33.986,54.158
cap_SSTX2_N: C137.2 U13.13 | length 5.7
  Bottom Layer w0.131: C137.2@26.968,54.813 27.152,54.629 27.152,54.461 27.229,54.385 27.983,54.385 28.132,54.534 28.826,54.534 30.934,56.642 30.934,56.759 U13.13@31.159,56.985 ; C137.2@26.968,54.94 C137.2@27.031,54.877
cap_SSTX2_P: C136.2 U13.12 | length 5.8
  Bottom Layer w0.131: C136.2@26.975,53.721 27.152,53.898 27.152,54.076 27.229,54.152 28.079,54.152 28.228,54.301 28.922,54.301 31.098,56.477 31.216,56.477 U13.12@31.441,56.703
cap_SSTX3_N: C139.2 U13.26 | length 9.7
  Bottom Layer w0.131: C139.2@22.954,63.17 23.139,62.985 23.139,62.829 23.216,62.753 24.832,62.753 25.749,63.67 28.952,63.67 30.814,61.808 30.934,61.808 U13.26@31.159,61.583
cap_SSTX3_P: C138.2 U13.25 | length 9.5
  Bottom Layer w0.131: C138.2@22.954,62.103 23.139,62.288 23.139,62.444 23.216,62.52 24.928,62.52 25.846,63.438 28.856,63.438 30.65,61.644 30.65,61.524 U13.25@30.875,61.299
cap_SSTX4_N: C141.2 U13.32 | length 11.2
  Bottom Layer w0.131: C141.2@22.98,65.557 23.164,65.373 23.164,65.217 23.241,65.14 24.172,65.14 24.542,65.51 30.505,65.51 32.512,63.503 32.629,63.503 U13.32@32.855,63.278
cap_SSTX4_P: C140.2 U13.31 | length 11
  Bottom Layer w0.131: C140.2@22.98,64.491 23.164,64.675 23.164,64.831 23.241,64.908 24.268,64.908 24.638,65.278 30.408,65.278 32.347,63.339 32.347,63.221 U13.31@32.573,62.996
cap_SSTX_N: C135.2 U13.49 | length 15.7
  Top Layer w0.131: C135.2@24.707,63.5 24.892,63.315 24.892,63.159 24.968,63.083 25.504,63.083 27.394,61.192 30.023,61.192 32.207,61.192 32.588,61.192 32.842,61.446 33.223,61.446 33.477,61.192 33.909,61.192 37.746,61.192 37.899,61.345 37.899,61.554 v1(37.944,61.599)
  Bottom Layer w0.131: v1(37.944,61.599) 37.989,61.644 38.197,61.644 38.357,61.803 38.357,61.923 U13.49@38.582,62.148
cap_SSTX_P: C134.2 U13.50 | length 15.7
  Top Layer w0.131: C134.2@24.707,62.433 24.892,62.618 24.892,62.774 24.968,62.85 25.407,62.85 27.298,60.96 37.842,60.96 38.063,61.181 38.271,61.181 v1(38.316,61.226)
  Bottom Layer w0.131: v1(38.316,61.226) 38.362,61.271 38.362,61.48 38.521,61.639 38.641,61.639 U13.50@38.866,61.865
cap_TX1_N: C3.1 J1.S3 | length 7.8
  Top Layer w0.109: C3.1@26.376,2.515 26.572,2.71 26.572,2.852 26.636,2.916 29.066,2.916 29.996,3.845 29.996,6.521 30.06,6.585 30.255,6.585 30.5,6.831 J1.S3@30.5,7.09
cap_TX1_P: C1.1 J1.S2 | length 7.7
  Top Layer w0.109: C1.1@26.383,3.581 26.572,3.393 26.572,3.241 26.636,3.177 26.948,3.177 27.169,3.398 27.795,3.398 28.016,3.177 28.958,3.177 29.735,3.954 29.735,4.64 29.542,4.833 29.542,5.324 29.735,5.517 29.735,6.521 29.671,6.585 29.476,6.585 29.23,6.831 J1.S2@29.23,7.09
cap_TX2_N: C4.1 J2.S3 | length 7.7
  Top Layer w0.109: C4.1@26.383,19.329 26.526,19.472 26.526,19.668 26.59,19.732 28.738,19.732 29.996,20.99 29.996,23.344 30.06,23.408 30.255,23.408 30.5,23.654 J2.S3@30.5,23.913
cap_TX2_P: C2.1 J2.S2 | length 7.2
  Top Layer w0.109: C2.1@26.383,20.396 26.526,20.254 26.526,20.057 26.59,19.993 28.629,19.993 29.735,21.099 29.735,23.344 29.671,23.408 29.476,23.408 29.23,23.654 J2.S2@29.23,23.913
cap_TX3_N: C11.1 J4.S3 | length 7.8
  Top Layer w0.109: C11.1@26.351,36.17 26.493,36.312 26.493,36.508 26.557,36.572 28.865,36.572 29.996,37.704 29.996,40.174 30.06,40.238 30.255,40.238 30.5,40.484 J4.S3@30.5,40.743
cap_TX3_P: C9.1 J4.S2 | length 7.7
  Top Layer w0.109: C9.1@26.351,37.236 26.493,37.094 26.493,36.898 26.557,36.834 26.928,36.834 27.127,37.033 27.514,37.033 27.713,36.834 28.756,36.834 29.002,37.079 29.002,37.435 29.193,37.626 29.549,37.626 29.735,37.812 29.735,40.174 29.671,40.238 29.476,40.238 29.23,40.484 J4.S2@29.23,40.743
cap_TX4_N: C12.1 J5.S3 | length 7.2
  Top Layer w0.109: C12.1@26.478,53.111 26.673,53.307 26.673,53.45 26.737,53.514 28.331,53.514 29.996,55.179 29.996,57.004 30.06,57.068 30.255,57.068 30.5,57.314 J5.S3@30.5,57.573
cap_TX4_P: C10.1 J5.S2 | length 7.1
  Top Layer w0.109: C10.1@26.478,54.178 26.673,53.983 26.673,53.839 26.737,53.775 28.223,53.775 28.381,53.933 28.381,54.22 28.578,54.418 28.865,54.418 29.032,54.585 29.032,54.872 29.233,55.073 29.521,55.073 29.735,55.287 29.735,57.004 29.671,57.068 29.476,57.068 29.23,57.314 J5.S2@29.23,57.573
DAS1: J1.P11 LED8.2 | length 25.3
  Top Layer w0.131: J1.P11@54.63,7.042 54.63,4.806 55.413,4.023 68.462,4.023 68.758,4.318 68.758,6.121 69.803,7.167 73.969,7.167 74.168,7.366 LED8.2@74.168,8.162
DAS2: J2.P11 LED6.2 | length 25.6
  Top Layer w0.131: J2.P11@54.63,23.865 54.63,21.519 55.304,20.846 72.384,20.846 72.996,21.458 72.996,23.515 73.437,23.956 74.019,23.956 74.168,24.105 LED6.2@74.168,24.965
DAS3: J4.P11 LED4.2 | length 25.4
  Top Layer w0.131: J4.P11@54.63,40.695 54.63,38.537 55.524,37.643 72.315,37.643 72.92,38.247 72.92,40.177 73.487,40.744 74.018,40.744 74.168,40.894 LED4.2@74.168,41.788
DAS4: J5.P11 LED2.2 | length 25.2
  Top Layer w0.131: J5.P11@54.63,57.525 54.63,55.326 55.499,54.458 71.806,54.458 72.589,55.241 72.589,56.967 73.411,57.789 74.05,57.789 74.168,57.907 LED2.2@74.168,58.611